# Altium PCB PCB_main_single_side_STACK.PcbDoc (continued)
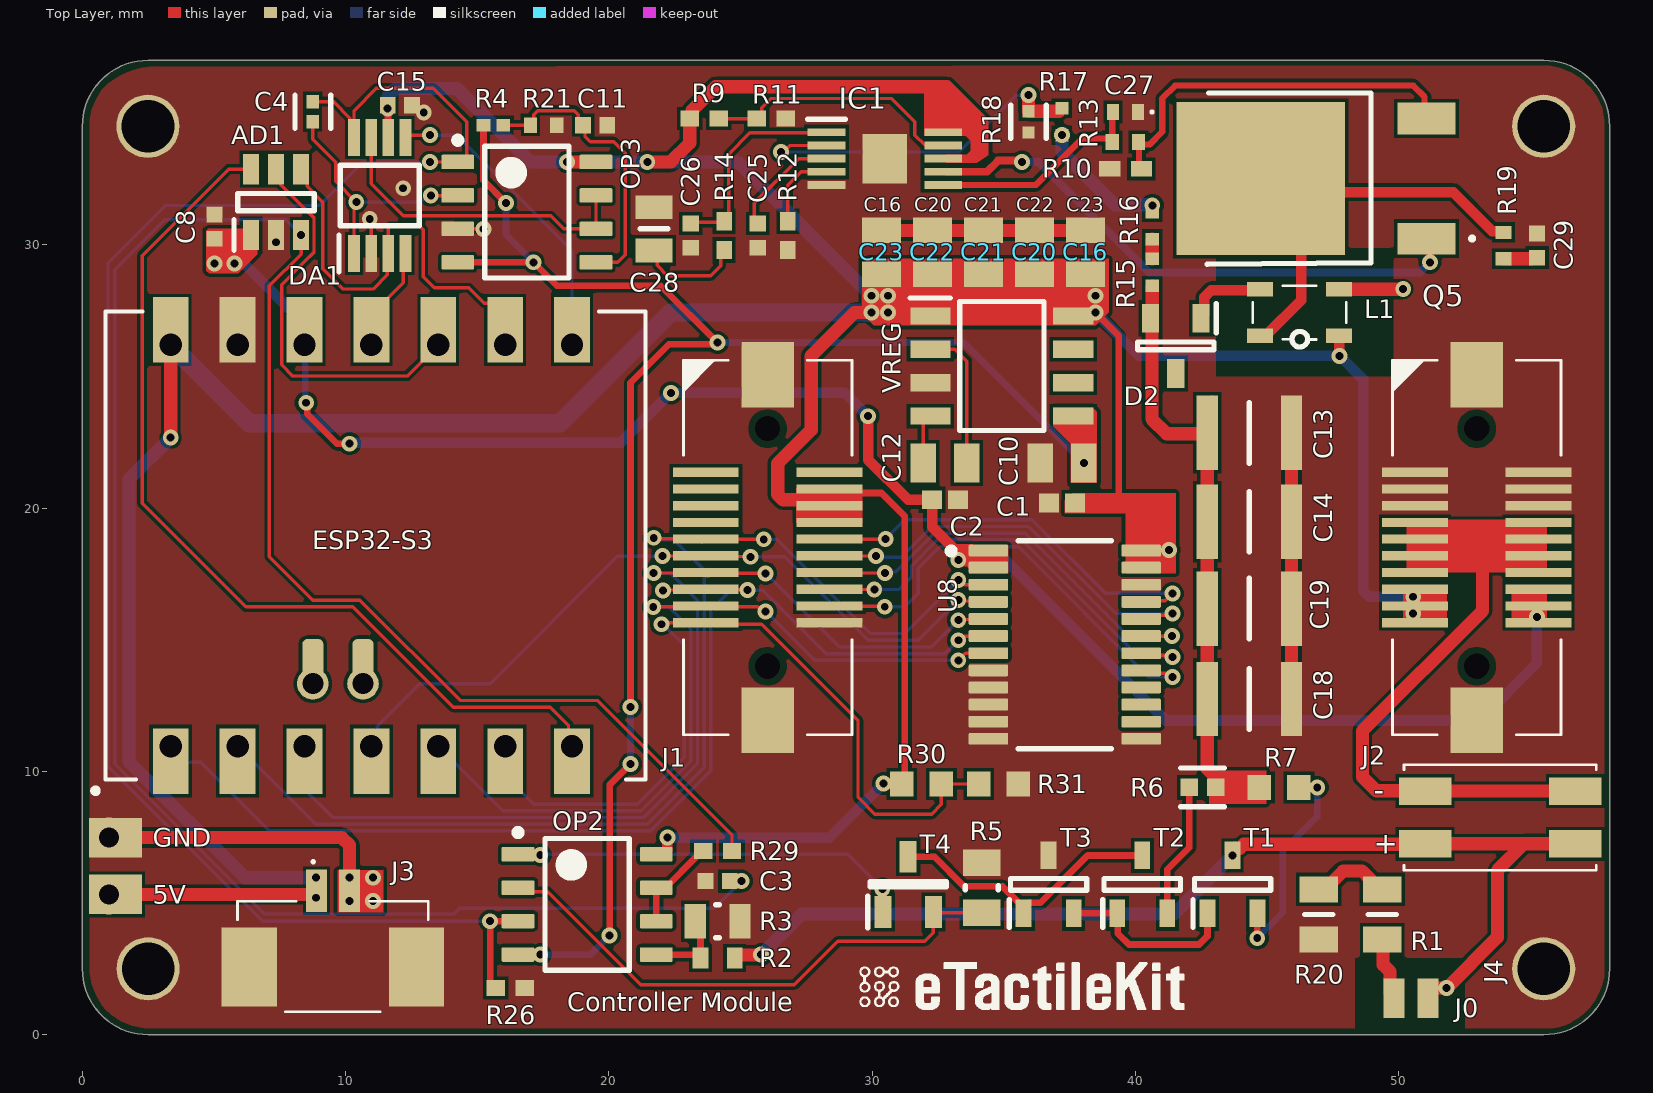
[diagram p0: Top Layer view]
## Part data
AD1: "Integrated Circuit", Manufacturer_Name="Analog Devices", Mouser Part Number=584-AD7276AUJZ-R7, Arrow Part Number=AD7276AUJZ-REEL7, Arrow Price/Stock=https://www.arrow.com/en/products/ad7276aujz-reel7/analog-devices, Datasheet Link=http://componentsearchengine.com/Datasheets/1/AD7276AUJZ-REEL7.pdf, Height=1mm, Manufacturer_Part_Number=AD7276AUJZ-REEL7, Mouser Price/Stock=https://www.mouser.co.uk/ProductDetail/Analog-Devices/AD7276AUJZ-REEL7?qs=NmRFExCfTkGcJMyUALbIIQ%3D%3D
C1 C2: library part CMP-2000-05439-1, "Chip Capacitor, 100 nF, +/- 10%, 16 V, -55 to 125 degC, 0402 (1005 Metric), RoHS, Tape and Reel", Capacitance=100000pF, Case Size/Dimension=0402, Dielectric=X7R, Manufacturer="Samsung Electro-Mechanics", Rated Voltage=16V, Tolerance (%)=±10%, Datasheet URL=https://datasheet.ciiva.com/29198/458718-da-01-en-vs-kondensator-0402-29198423.pdf, Datasheet Version=Nov-10, Manufacturer URL=http://www.samsungsem.com/global/index.jsp
C3: "Capacitor", Manufacturer_Name="Murata Electronics", Mouser Part Number=N/A, Datasheet Link=https://search.murata.co.jp/Ceramy/image/img/A01X/G101/ENG/GRM1552C1H102JA01-01A.pdf, Height=0.7mm, Manufacturer_Part_Number=GRM1552C1H102JA01D, Mouser Price/Stock=https://www.mouser.co.uk/ProductDetail/Murata-Electronics/GRM1552C1H102JA01D?qs=UOvNgVTuGCqGiG7fJ8%252BtBQ%3D%3D
C4: library part CMP-2008-03830-2, "Multi-Layer Ceramic Capacitor 2pF C0G  ±0.1pF 0402 Paper T/R", Capacitance=2pF, Case Code (Imperial)=0402, Case Code (Metric)=1005, Dielectric=C0G, Max Operating Temperature=125°C, Min Operating Temperature=-55°C, Package Quantity=1, Voltage Rating=50V, Case/Package=0402, Depth=0.5mm, Height=0.5mm, Lead Free="Lead Free", Lead Pitch=0.3mm, Length=1mm, Mount="Surface Mount", Number of Pins=2, Packaging="Tape and Reel", Radiation Hardening=No, REACH SVHC="No SVHC", Termination=SMD/SMT, Thickness=0.022inch, Voltage Rating (DC)=50V, Width=0.5mm
C8 C11 C15 C25: "Capacitor", Manufacturer_Name=SAMSUNG, Mouser Part Number=187-CL05B104KO5NNNC, Arrow Part Number=CL05B104KO5NNNC, Arrow Price/Stock=https://www.arrow.com/en/products/cl05b104ko5nnnc/samsung-electro-mechanics?utm_currency=USD&region=europe, Datasheet Link=https://datasheet.datasheetarchive.com/originals/distributors/Datasheets-DGA10/2408147.pdf, Height=0.55mm, Manufacturer_Part_Number=CL05B104KO5NNNC, Mouser Price/Stock=https://www.mouser.co.uk/ProductDetail/Samsung-Electro-Mechanics/CL05B104KO5NNNC?qs=hqM3L16%252BxlfT2SKOuAUq6Q%3D%3D
C10 C12 C16 C20 C21 C22 C23: "Capacitor", Manufacturer_Name="Murata Electronics", Mouser Part Number=81-GRM21BR61A476ME5L, Arrow Part Number=GRM21BR61A476ME15L, Arrow Price/Stock=https://www.arrow.com/en/products/grm21br61a476me15l/murata-manufacturing?utm_currency=USD&region=nac, Datasheet Link=https://search.murata.co.jp/Ceramy/image/img/A01X/G101/ENG/GRM21BR61A476ME15-01A.pdf, Height=1.45mm, Manufacturer_Part_Number=GRM21BR61A476ME15L, Mouser Price/Stock=https://www.mouser.co.uk/ProductDetail/Murata-Electronics/GRM21BR61A476ME15L?qs=hNud%2FORuBR2%2FEB7WUpdltg%3D%3D
C13 C14 C18 C19: library part C3225X7R2J683K200AA, "Capacitor", Manufacturer_Name=TDK, Mouser Part Number=810-C3225X7R2J683K, Arrow Part Number=C3225X7R2J683K200AA, Arrow Price/Stock=https://www.arrow.com/en/products/c3225x7r2j683k200aa/tdk?region=nac, Datasheet Link=https://product.tdk.com/info/en/catalog/datasheets/mlcc_commercial_midvoltage_en.pdf, Height=2mm, Manufacturer_Part_Number=C3225X7R2J683K200AA, Mouser Price/Stock=https://www.mouser.com/Search/Refine.aspx?Keyword=810-C3225X7R2J683K
C26: "Capacitor", Manufacturer_Name="Guangdong Fenghua Advanced Tech", Datasheet Link=https://datasheet.lcsc.com/szlcsc/Guangdong-Fenghua-Advanced-Tech-0402CG101J500NT_C1546.pdf, Height=0.55mm, Manufacturer_Part_Number=0402CG101J500NT
C27: "Capacitor", Manufacturer_Name="Murata Electronics", Mouser Part Number=81-GRM155R71H103KA8D, Arrow Part Number=GRM155R71H103KA88D, Arrow Price/Stock=https://www.arrow.com/en/products/grm155r71h103ka88d/murata-manufacturing?utm_currency=USD&region=nac, Datasheet Link=https://search.murata.co.jp/Ceramy/image/img/A01X/G101/ENG/GRM155R71H103KA88-01A.pdf, Height=0.33mm, Manufacturer_Part_Number=GRM155R71H103KA88D, Mouser Price/Stock=https://www.mouser.co.uk/ProductDetail/Murata-Electronics/GRM155R71H103KA88D?qs=Dfh4SrgScWxOVlCuzd3ZyQ%3D%3D
C28: "Capacitor", Manufacturer_Name=SAMSUNG, Mouser Part Number=187-CL21B223KBANNNC, Arrow Part Number=CL21B223KBANNNC, Arrow Price/Stock=https://www.arrow.com/en/products/cl21b223kbannnc/samsung-electro-mechanics?utm_currency=USD&region=europe, Datasheet Link=https://datasheet.datasheetarchive.com/originals/distributors/Datasheets_SAMA/f1186cf82a02fbe5c02a084f1b7bc7a5.pdf, Height=0.75mm, Manufacturer_Part_Number=CL21B223KBANNNC, Mouser Price/Stock=https://www.mouser.co.uk/ProductDetail/Samsung-Electro-Mechanics/CL21B223KBANNNC?qs=349EhDEZ59o8NyW%2FjkRQDg%3D%3D
C29: "Capacitor", Manufacturer_Name="Murata Electronics", Mouser Part Number=81-GRM1555C1H221JA01, Arrow Part Number=GRM1555C1H221JA01D, Arrow Price/Stock=https://www.arrow.com/en/products/grm1555c1h221ja01d/murata-manufacturing, Datasheet Link=https://search.murata.co.jp/Ceramy/image/img/A01X/G101/ENG/GRM1555C1H221JA01-01A.pdf, Height=0.7mm, Manufacturer_Part_Number=GRM1555C1H221JA01D, Mouser Price/Stock=https://www.mouser.co.uk/ProductDetail/Murata-Electronics/GRM1555C1H221JA01D?qs=AflYu6BMgmkFaPorbrBIOQ%3D%3D
D2: "Diode", Manufacturer_Name="Diodes Incorporated", Mouser Part Number=621-MMBD3004S-F, Arrow Part Number=MMBD3004S-7-F, Arrow Price/Stock=https://www.arrow.com/en/products/mmbd3004s-7-f/diodes-incorporated, Datasheet Link=http://www.farnell.com/datasheets/1911713.pdf, Height=1mm, Manufacturer_Part_Number=MMBD3004S-7-F, Mouser Price/Stock=https://www.mouser.co.uk/ProductDetail/Diodes-Incorporated/MMBD3004S-7-F?qs=wlBvdarPgLYI%252BR4SoNTV%2Fg%3D%3D
DA1: "Integrated Circuit", Manufacturer_Name="Analog Devices", Mouser Part Number=584-AD5452YRMZ-R7, Arrow Part Number=AD5452YRMZ-REEL7, Arrow Price/Stock=https://www.arrow.com/en/products/ad5452yrmz-reel7/analog-devices?region=nac, Datasheet Link=https://componentsearchengine.com/Datasheets/1/AD5452YRMZ-REEL7.pdf, Height=1.1mm, Manufacturer_Part_Number=AD5452YRMZ-REEL7, Mouser Price/Stock=https://www.mouser.co.uk/ProductDetail/Analog-Devices/AD5452YRMZ-REEL7?qs=NmRFExCfTkHoityukWLALQ%3D%3D
ESP32-S3 J0: library part Component_1
IC1: library part LT3757EMSETRPBF, "Integrated Circuit", Manufacturer_Name="Analog Devices", Height=1.1mm, Manufacturer_Part_Number=LT3757EMSETRPBF
J1 J2: "Connector", Manufacturer_Name=Molex, Mouser Part Number=538-52885-0274, Datasheet Link=https://www.molex.com/webdocs/datasheets/pdf/en-us/0528850274_PCB_RECEPTACLES.pdf, Height=4mm, Manufacturer_Part_Number=52885-0274, Mouser Price/Stock=https://www.mouser.co.uk/ProductDetail/Molex/52885-0274?qs=%252BPJ3Ll1xQNYiQig4hWY5jQ%3D%3D
J3: library part 53261-0271, "C177225", Manufacturer_Name=Molex, Mouser Part Number=538-53261-0271, Arrow Part Number=53261-0271, Arrow Price/Stock=https://www.arrow.com/en/products/53261-0271/molex?region=nac, Datasheet Link=https://www.molex.com/pdm_docs/sd/532610271_sd.pdf, Height=3.65mm, Manufacturer_Part_Number=53261-0271, Mouser Price/Stock=https://www.mouser.co.uk/ProductDetail/Molex/53261-0271?qs=%252B72YyncTwW%252B8%252BBjraxGf3A%3D%3D
J4: "Connector"
OP2 OP3: library part CMP-0015-00084-2, "Dual Low-Noise JFET-Input General-Purpose Operational Amplifier, 7 to 36 V, -40 to 85 degC, 8-pin SOIC (D8), Green (RoHS & no Sb/Br)", Manufacturer="Texas Instruments", Rating=Catalog, Total Supply Voltage(Max)(+5V is 5, +/-5V is 10)=36, Total Supply Voltage(Min)(+5V is 5, +/-5V is 10)=7, CMRR(Min)(dB)=75, Code_JEDEC=MS-012, ComponentLink1Description="Manufacturer URL", ComponentLink1URL=http://www.ti.com/, ComponentLink2Description=Datasheet, ComponentLink2URL=http://www.ti.com/lit/ds/symlink/tl072.pdf, ComponentLink3Description="Package Specification", ComponentLink3URL=http://www.ti.com/litv/pdf/msoi002j, DatasheetVersion=SLOS080J, Eco-Plan="Green (RoHS & no Sb/Br)", GBW(Typ)(MHz)=3, IIB(Max)(pA)=200, Iq per channel(Max)(mA)=2.5, Mounting Technology="Surface Mount", Number of Channels=2, Offset Drift(Typ)(uV/C)=18, PackageDescription="8-Pin Plastic Small Outline, Body 4.9 x 3.9 mm, Pitch 1.27 mm", PackageReference=D0008A, PackageVersion="4040047-3/M, 06/2011", PartNumber=TL072IDR, Slew Rate(Typ)(V/us)=13, Sub Family="General Purpose Amplifier, High Supply Voltage Amplifier (>=30V)", Vio (25C)(Max)(mV)=6, Vn at 1kHz(Typ)(nV/rtHz)=18
Q5: library part IPD25N06S4L30ATMA2, "60V 25A 30mΩ@10V 2.5V 1PCSNChannel TO252-2L MOSFETs ROHS", Arrow Part Number=25N06, Manufacturer_Name=Infineon, Arrow Price/Stock=https://www.arrow.com/en/products/ipd25n06s4l30atma2/infineon-technologies-ag?region=nac, Datasheet Link=https://www.infineon.com/dgdl/Infineon-IPD25N06S4L-30-DS-v01_01-EN.pdf?fileId=db3a30431ff98815012038898f7b0caa, Height=2.5mm, Manufacturer_Part_Number=25N06, Mouser Part Number=IPD25N06S4L30ATMA2, Mouser Price/Stock=https://www.mouser.co.uk/ProductDetail/Infineon-Technologies/IPD25N06S4L30ATMA2?qs=OwbwYO03UsKv1XP00b%252BqYQ%3D%3D
R1 R7 R20: "Resistor", Manufacturer_Name="UNI-ROYAL(Uniroyal Elec)"
  R1 R20: Datasheet Link=https://datasheet.lcsc.com/lcsc/2110251830_UNI-ROYAL-Uniroyal-Elec-0805W8F3302T5E_C17633.pdf, Height=0.65mm, Manufacturer_Part_Number=0805W8F3302T5E
  R7: Datasheet Link=https://datasheet.lcsc.com/szlcsc/Uniroyal-Elec-0603WAF1001T5E_C21190.pdf, Height=0.55mm, Manufacturer_Part_Number=0603WAF1001T5E
R2: library part CMP-1659-00056-1, "Chip Resistor, 1 MOhm, +/- 1%, 100 mW, -55 to 155 degC, 0603 (1608 Metric), RoHS, Tape and Reel", Capacitance="1 mF", Case\Package=Radial, Max Operating Temperature="85 degC", Min Operating Temperature="-40 degC", Package Quantity=200, Tolerance=20%, Voltage Rating="25 V", ComponentLink1Description="Manufacturer URL", ComponentLink1URL=http://www.yageo.com/, ComponentLink2Description=Datasheet, ComponentLink2URL=http://www.yageo.com/documents/recent/PYu-RC_Group_51_RoHS_L_04.pdf, DatasheetVersion="Rev. 4, 02/2016", Diameter="10 mm", Height="20 mm", Lead Pitch="5 mm", Length="20 mm", Mount="Through Hole", PackageDescription="2-Pin Surface Mount Device, Body 1.6 x 0.8 mm", PackageReference=0603, Packaging=Bulk, Radiation Hardening=No, REACH SVHC="No SVHC", RoHSCompliant=true, Voltage Rating (DC)="25 V", Width="0 inch"
R3: library part CMP-2001-04176-2, "RES Thick Film, 9.1kΩ, 1%, 0.125W, 100ppm/°C, 0805", Case Code (Imperial)=0805, Case Code (Metric)=2012, Max Operating Temperature=155°C, Max Power Dissipation=125mW, Min Operating Temperature=-55°C, Package Quantity=10, Resistance=9.1kR, Temperature Coefficient=100ppm/°C, Tolerance=1%, Voltage Rating=150V, Case/Package=0805, Composition="Thick Film", Contact Plating=Tin, Depth=1.25mm, Features="Automotive AEC-Q200", Height=0.45mm, Lead Free="Lead Free", Length=2mm, Military Standard=Not, Number of Terminations=2, Packaging="Tape and Reel", Power Rating=125mW, Radiation Hardening=No, Termination=SMD/SMT, Voltage Rating (DC)=150V, Weight=0.000194oz, Width=0.049inch
R4: library part CMP-2002-07378-2, "RES SMD 12K OHM 1% 1/16W 0402", Case Code (Imperial)=0402, Case Code (Metric)=1005, Max Operating Temperature=155°C, Max Power Dissipation=63mW, Min Operating Temperature=-55°C, Package Quantity=1, Power Rating=62.5mW, Resistance=12kR, Resistance Tolerance=1%, Resistor Type="Thick Film", Temperature Coefficient=100ppm/°C, Voltage Rating=50V, Case/Package=0402, Construction=Rectangular, Depth=0.5mm, Features="Moisture Resistant", Height=0.016inch, Lead Free="Lead Free", Length=1mm, Military Standard=Not, Number of Terminations=2, Packaging="Tape and Reel", REACH SVHC="No SVHC", RoHS Compliant=Yes, Series=RC, Size Code=0402, Termination=SMD/SMT, Tolerance=1%, Weight=2.3E-05oz, Width=0.02inch
R5: library part CMP-2001-03760-2, "RES Thick Film, 2.2kΩ, 1%, 0.125W, 100ppm/°C, 0805", Case Code (Imperial)=0805, Case Code (Metric)=2012, Max Operating Temperature=155°C, Max Power Dissipation=125mW, Min Operating Temperature=-55°C, Package Quantity=10, Resistance=2.2kR, Temperature Coefficient=100ppm/°C, Tolerance=1%, Voltage Rating=150V, Case/Package=0805, Composition="Thick Film", Contact Plating=Tin, Depth=1.25mm, Features="Automotive AEC-Q200", Height=0.45mm, Lead Free="Lead Free", Length=2mm, Military Standard=Not, Number of Terminations=2, Packaging="Tape and Reel", Power Rating=125mW, Radiation Hardening=No, Termination=SMD/SMT, Voltage Rating (DC)=150V, Weight=0.000194oz, Width=1.25mm
R6: library part CMP-2002-08431-2, "RES Thick Film, 27kΩ, 1%, 0.063W, 100ppm/°C, 0402", Case Code (Imperial)=0402, Case Code (Metric)=1005, Max Operating Temperature=155°C, Max Power Dissipation=63mW, Min Operating Temperature=-55°C, Package Quantity=10, Resistance=27kR, Temperature Coefficient=100ppm/°C, Tolerance=1%, Voltage Rating=50V, Case/Package=0402, Composition="Thick Film", Contact Plating=Tin, Depth=0.5mm, Features="Automotive AEC-Q200", Height=0.35mm, Lead Free="Lead Free", Length=1mm, Military Standard=Not, Mount="Surface Mount", Number of Pins=2, Number of Terminations=2, Packaging="Tape and Reel", Power Rating=63mW, Radiation Hardening=No, Termination=SMD/SMT, Voltage Rating (DC)=50V, Weight=2.3E-05oz, Width=0.02inch
R9: "Resistor", Manufacturer_Name="KOA Speer", Mouser Part Number=660-RK73H1ETTP1003F, Arrow Part Number=RK73H1ETTP1003F, Arrow Price/Stock=https://www.arrow.com/en/products/rk73h1ettp1003f/koa-speer-electronics?region=nac, Datasheet Link=http://www.koaspeer.com/catimages/Products/RK73-RT/RK73-RT.pdf, Height=0.4mm, Manufacturer_Part_Number=RK73H1ETTP1003F, Mouser Price/Stock=https://www.mouser.co.uk/ProductDetail/KOA-Speer/RK73H1ETTP1003F?qs=b1MjUb3%252BcaVl%2FZYcKgjmuQ%3D%3D
R10: library part CMP-03412-023933-1, "METAL CURRENT SENSOR 0402 1% 150", Manufacturer=Yageo, Package=PA0402, Power Rating=0.167W, Resistance=20mΩ, Temperature="-55°C to +125°C", Temperature Coefficient=150ppm/°C, Temperature Range High=+125°C, Temperature Range Low=-55°C, Tolerance=1%, Automotive=No, Category=Res, ComponentLink2Description=Datasheet, ComponentLink2URL=http://www.yageo.com/documents/recent/PYu-PA0402_L_51_RoHS_0.pdf, Composition="Metal Element", Device Class L1="Passive Components", Device Class L2=Resistors, Device Class L3="Chip SMD Resistors", Digikey Description="METAL CURRENT SENSOR 0402 1% 150", Height=0.4mm, Ipc Land Pattern Name=RESC10055X40, Lead Free=Yes, Manufacturer Part Number=RTT03R020FTP, Octopart=https://octopart.com/pa0402frl7t0r02l-yageo-86729964, RoHS=TRUE, Series=PA0402
R11: "Resistor", Manufacturer_Name="KOA Speer", Mouser Part Number=660-RK73H1ETTP4702F, Arrow Part Number=RK73H1ETTP4702F, Arrow Price/Stock=https://www.arrow.com/en/products/rk73h1ettp4702f/koa-speer-electronics, Datasheet Link=http://www.koaspeer.com/catimages/Products/RK73-RT/RK73-RT.pdf, Height=0.4mm, Manufacturer_Part_Number=RK73H1ETTP4702F, Mouser Price/Stock=https://www.mouser.co.uk/ProductDetail/KOA-Speer/RK73H1ETTP4702F?qs=VhCg8p3QXBbdph5DclKeLw%3D%3D
R12: "Resistor", Manufacturer_Name="KOA Speer", Mouser Part Number=660-RK73H1ETTP1303F, Datasheet Link=http://www.koaspeer.com/catimages/Products/RK73-RT/RK73-RT.pdf, Height=0.4mm, Manufacturer_Part_Number=RK73H1ETTP1303F, Mouser Price/Stock=https://www.mouser.co.uk/ProductDetail/KOA-Speer/RK73H1ETTP1303F?qs=nWTjSGqwIiQKngPNRzbM%2FA%3D%3D
R13 R19: library part CMP-2002-07520-2, Case Code (Imperial)=0402, Max Operating Temperature=155°C, Min Operating Temperature=-55°C, Power Rating=63mW, Resistance=22Ω, Temperature Coefficient=100ppm/°C, Tolerance=1%, Voltage Rating=50V, Case/Package=0402, Composition="Thick Film", Depth=500µm, Height=400µm, Lead Free="Lead Free", Length=1mm, Military Standard=Not, Number of Pins=2, Packaging="Tape & Reel", REACH SVHC=Unknown, RoHS=Compliant, Schedule B="8533210045, 8533210045", Termination=SMD/SMT, Voltage Rating (AC)=50V, Voltage Rating (DC)=50V, Width=500µm
R14: "Resistor", Manufacturer_Name="KOA Speer", Mouser Part Number=660-RK73H1ETTP6801F, Arrow Part Number=RK73H1ETTP6801F, Arrow Price/Stock=https://www.arrow.com/en/products/rk73h1ettp6801f/koa-speer-electronics, Datasheet Link=http://www.koaspeer.com/catimages/Products/RK73-RT/RK73-RT.pdf, Height=0.4mm, Manufacturer_Part_Number=RK73H1ETTP6801F, Mouser Price/Stock=https://www.mouser.com/Search/Refine.aspx?Keyword=660-RK73H1ETTP6801F
R15 R16 R17: "Resistor", Manufacturer_Name=Panasonic, Datasheet Link=https://industrial.panasonic.com/cdbs/www-data/pdf/RDP0000/AOA0000C334.pdf, Height=0.4mm, Manufacturer_Part_Number=ERJU02F1004X
R18: library part CMP-1011-00644-3, "RES Thick Film, 16kΩ, 1%, 0.063W, 100ppm/°C, 0402", Case Code (Imperial)=0402, Case Code (Metric)=1005, Max Operating Temperature=155°C, Max Power Dissipation=63mW, Min Operating Temperature=-55°C, Package Quantity=10, Resistance=16kR, Temperature Coefficient=100ppm/°C, Tolerance=1%, Voltage Rating=50V, Case/Package=0402, Composition="Thick Film", Contact Plating=Tin, Depth=0.5mm, Features="Automotive AEC-Q200", Height=0.35mm, Lead Free="Lead Free", Length=1mm, Military Standard=Not, Mount="Surface Mount", Number of Pins=2, Number of Terminations=2, Packaging="Tape and Reel", Power Rating=63mW, Radiation Hardening=No, Termination=SMD/SMT, Voltage Rating (DC)=50V, Weight=2.3E-05oz, Width=0.02inch
R21: library part CMP-03412-008661-1, "RES SMD 12K OHM 1% 1/16W 0402", Manufacturer=Yageo, Package=RT0402, Power Rating=0.063W, Resistance=24KΩ, Temperature="-55°C to +155°C", Temperature Coefficient="50 ppm/°C", Temperature Range High=+155°C, Temperature Range Low=-55°C, Tolerance=0.01, Voltage Rating=50V, Automotive=No, Category=Res, ComponentLink2Description=Datasheet, ComponentLink2URL=http://www.yageo.com/documents/recent/PYu-RT_1-to-0.01_RoHS_L_9.pdf, Composition="Thin Film", Device Class L1="Passive Components", Device Class L2=Resistors, Device Class L3="Chip SMD Resistors", Digikey Description="RES SMD 14K OHM 1% 1/16W 0402", Footprint Url=http://www.yageo.com/exep/pages/download/literatures/PYu-R_Mount_10.pdf, Height=0.35mm, Ipc Land Pattern Name=RESC10050X30, Lead Free=Yes, Manufacturer Part Number=HPCR0402F24K0K9, Octopart=https://octopart.com/rt0402fre0714kl-yageo-1378200, RoHS=TRUE, Series=RT
R26: "Resistor", Manufacturer_Name=Vishay, Mouser Part Number=594-MCS04020C1002FE0, Arrow Part Number=MCS04020C1002FE000, Arrow Price/Stock=https://www.arrow.com/en/products/mcs04020c1002fe000/vishay?utm_currency=USD&region=nac, Datasheet Link=http://www.vishay.com/docs/28705/mcx0x0xpro.pdf, Height=0.37mm, Manufacturer_Part_Number=MCS04020C1002FE000, Mouser Price/Stock=https://www.mouser.co.uk/ProductDetail/Vishay-Beyschlag/MCS04020C1002FE000?qs=7ZE6F4QMOBZ3EZwk%252BYP9Dg%3D%3D
R29: "Resistor", Manufacturer_Name="KOA Speer", Mouser Part Number=660-RK73H1ETTP1000F, Arrow Part Number=RK73H1ETTP1000F, Arrow Price/Stock=https://www.arrow.com/en/products/rk73h1ettp1000f/koa-speer-electronics?region=nac, Datasheet Link=http://www.koaspeer.com/catimages/Products/RK73-RT/RK73-RT.pdf, Height=0.4mm, Manufacturer_Part_Number=RK73H1ETTP1000F, Mouser Price/Stock=https://www.mouser.co.uk/ProductDetail/KOA-Speer/RK73H1ETTP1000F?qs=VhCg8p3QXBZstDOVIJ3D7A%3D%3D
R30: "Resistor", Manufacturer_Name=YAGEO, Mouser Part Number=603-RT0603BRD0740KL, Arrow Part Number=RT0603BRD0740KL, Arrow Price/Stock=https://www.arrow.com/en/products/rt0603brd0740kl/yageo?region=nac, Datasheet Link=https://www.yageo.com/upload/media/product/app/datasheet/rchip/pyu-rt_1-to-0.01_rohs_l.pdf, Height=0.55mm, Manufacturer_Part_Number=RT0603BRD0740KL, Mouser Price/Stock=https://www.mouser.co.uk/ProductDetail/YAGEO/RT0603BRD0740KL?qs=gt1LBUVyoHlX7zH8R4KgIw%3D%3D
R31: library part MCT06030C6042FP500, "Resistor", Manufacturer_Name=Vishay, Datasheet Link=http://www.vishay.com/docs/28705/mcx0x0xpro.pdf, Height=0.55mm, Manufacturer_Part_Number=0603WAF6042T5E, Mouser Part Number=0603WAF6042T5E
T1 T2 T3: "Transistor BJT PNP", Manufacturer_Name=Nexperia, Mouser Part Number=771-PBHV9040TVL, Datasheet Link=https://assets.nexperia.com/documents/data-sheet/PBHV9040T.pdf, Height=1.1mm, Manufacturer_Part_Number=PBHV9040TVL, Mouser Price/Stock=https://www.mouser.co.uk/ProductDetail/Nexperia/PBHV9040TVL?qs=PqoDHHvF64%252B9n13F%2FsjH6g%3D%3D
T4: "MOSFET (N-Channel)", Manufacturer_Name="Diodes Incorporated", Mouser Part Number=621-DMN60H080DS-13, Arrow Part Number=DMN60H080DS-13, Arrow Price/Stock=https://www.arrow.com/en/products/dmn60h080ds-13/diodes-incorporated, Datasheet Link=https://www.diodes.com//assets/Datasheets/DMN60H080DS.pdf, Height=1.1mm, Manufacturer_Part_Number=DMN60H080DS-13, Mouser Price/Stock=https://www.mouser.co.uk/ProductDetail/Diodes-Incorporated/DMN60H080DS-13?qs=HXFqYaX1Q2wO6tm1AgR7Fw%3D%3D
U8: library part CMP-04899-000027-1, "IC TRNSLTR BIDIRECTIONAL 24TSSOP", Ambient Temperature Range High=+85°C, Ambient Temperature Range Low=-40°C, Manufacturer="Texas Instruments", Max Supply Voltage=5.5V, Min Supply Voltage=1.65V, Nominal Supply Current=25uA, Package=PW0024A, Temperature="-40°C to +85°C", Automotive=No, Category=IC, ComponentLink2Description=Datasheet, ComponentLink2URL=http://www.ti.com/lit/ds/symlink/sn74lvc8t245.pdf, Device Class L1="Integrated Circuits (ICs)", Device Class L2="Logic ICs", Device Class L3="Voltage Level Shifters", Digikey Description="IC TRNSLTR BIDIRECTIONAL 24TSSOP", Height=1.2mm, Ipc Land Pattern Name=SOP65P640X120-24, Lead Free=Yes, Logic Function Desc=Non-Inverting, Manufacturer Part Number=SN74LVC8T245PWR, Mouser Description="Translation - Voltage Levels 8-Bit Dual-Supply Bus Xcvr", Number Of Circuits=1, Number Of Inputs=8, Number Of Outputs=8, Octopart=https://octopart.com/sn74lvc8t245pwr-texas+instruments-517164, Propagation Delay=4.3ns, RoHS=TRUE, Standoff Height=0.05mm, Temperature Range High=+85°C, Temperature Range Low=-40°C, V A Max=5.5V, V A Min=1.65V, V B Max=5.5V, V B Min=1.65V
VREG: "Integrated Circuit", Manufacturer_Name="Analog Devices", Mouser Part Number=584-LTC1144IS8#PBF, Arrow Part Number=LTC1144IS8#PBF, Arrow Price/Stock=https://www.arrow.com/en/products/ltc1144is8pbf/analog-devices?utm_currency=USD&region=europe, Datasheet Link=http://cds.linear.com/docs/en/datasheet/1144fa.pdf, Height=1.752mm, Manufacturer_Part_Number=LTC1144IS8#PBF, Mouser Price/Stock=https://www.mouser.co.uk/ProductDetail/Analog-Devices/LTC1144IS8PBF?qs=hVkxg5c3xu%2FkbkSDzzDboA%3D%3D

## Free pads (board coordinates)
  round 2.4 hole 2: 2(55.5,2.508) 3(55.5,34.5) 4(2.5,34.5) 5(2.508,2.508)
  rect 2x1.5 smd: 8(1.27,5.334) 8(1.27,7.493)
  round 1.524 hole 0.762: 9(1.016,7.493) 10(1.016,5.334)
  round 1.2 hole 0.8: 11(8.763,13.335) 12(10.668,13.335)

## Via types
v1: diameter 0.6, hole 0.3, Top Layer to Bottom Layer, tented both sides, 90 vias

## Nets (pads, with @x,y where several pads share a name; then routed paths per layer and width w, separated by ;. In a path a pad name is that pad's centre, name@x,y a point inside that pad or via, vN(x,y) a via of type N, cw(c..) or ccw(c..) an arc to the next point about the centre after c; other vN are vias at no path point)
+3V3: AD1.1 C2.2 C8.2 ESP32-S3.12 J2.16 J2.18 J2.20 U8.1 U8.2 | length 65.5
  Top Layer w0.254: v1(8.509,24.003) 8.546,23.966 8.546,23.585 9.682,22.449 v1(10.16,22.449) ; U8.2@34.407,17.753 U8.2@34.417,17.763
  Top Layer w0.4: v1(29.845,23.495) 29.845,21.844 31.369,20.32 C2.2 32.276,19.286 33.128,18.434 U8.1@33.78,18.434
  Bottom Layer w0.254: ESP32-S3.12@8.445,26.203 8.477,26.171 8.477,24.035 v1(8.509,24.003)
  Bottom Layer w0.4: v1(5.031,29.294) v1(5.793,29.294) 5.831,29.256 6.177,29.256 8.333,27.1 8.333,26.315 ESP32-S3.12@8.445,26.203 ; v1(10.16,22.449) 10.19,22.479 20.447,22.479 22.341,24.373 v1(22.363,24.373) ; v1@22.363,24.384 28.956,24.384 v1(29.845,23.495) ; v1(33.274,18.034) 35.052,18.034 41.148,11.938 53.064,11.938 55.245,14.119 v1(55.245,15.875)
+5V: C1.1 C15.2 C16.2 C20.2 C21.2 C22.2 C23.2 DA1.6 ESP32-S3.14 IC1.8 IC1.10 J1.4 J1.6 J1.8 J2.15 J2.17 J2.19 J3.1 L1.4 OP2.8 OP3.8 pad.8@1.27,5.334 pad.10 R9.2 R30.2 U8.23 U8.24 VREG.1 VREG.8 | length 178.6
  Top Layer w0.254: v1(11.605,35.179) 11.617,35.167 11.617,33.707 DA1.6@11.628,33.696 ; J1.4@28.385,20.575 30.352,20.575 31.242,19.685 31.242,9.64 R30.2 31.11,9.541 v1(30.427,9.541) ; v1(38.481,27.432) 39.37,26.543 39.37,20.32 v1(41.275,18.415)
  Top Layer w0.4: OP2.8 22.077,6.858 22.225,7.006 v1(22.225,7.493) ; L1.4 47.74,26.545 47.74,25.793 v1(47.752,25.781)
  Top Layer w0.5: pad.10 8.763,5.334 v1(8.89,5.207) ; v1(3.364,22.679) v1(3.364,22.679) ESP32-S3.14@3.365,26.203 ; v1(18.415,33.147) OP3.8 ; v1(21.463,33.147) 22.352,33.147 23.072,33.867 R9.2 ; R9.2@23.172,34.844 23.172,35.11 24.062,36 32.834,36 34.163,34.671 34.163,34.294 ; 27.615,20.45 27.485,20.32 26.615,20.32 26.416,20.519 26.416,21.703 27.686,22.973 27.686,25.781 29.337,27.432 v1(29.972,27.432) ; C23.2 C22.2 C21.2 C20.2 C16.2
  Bottom Layer w0.4: v1(22.225,7.493) 28.379,7.493 v1(30.427,9.541) ; v1(38.481,28.067) v1(38.481,27.432) 40.132,25.781 v1(47.752,25.781) 48.641,24.892 48.641,16.871 48.875,16.637 v1(50.546,16.637) v1(50.546,16.002)
  Bottom Layer w0.5: v1(3.364,22.679) 1.778,21.093 1.778,10.38 6.189,5.969 v1(8.89,5.969) ; v1(11.605,35.179) 11.621,35.195 11.621,35.648 11.914,35.941 14.224,35.941 17.018,33.147 v1(18.415,33.147) v1(21.463,33.147) 24.892,33.147 v1(29.972,28.067)
  Bottom Layer w0.7: ESP32-S3.14@3.365,26.203 6.343,23.226 18.146,23.226 22.352,27.432 v1(29.972,27.432)
  other v1: 30.607,27.432 30.607,28.067
+300V: C13.2 C14.2 C18.2 C19.2 D2.2 R6.2 R7.2 R15.2 | length 22.8
  Top Layer w0.5: R15.2 40.64,27.283 D2.2 40.626,27.155 40.626,23.382 41.179,22.829 42.723,22.829 C14.2 ; C18.2 42.723,10.109 43.714,9.118 ; C18.2@42.723,12.808 42.723,16.133 42.775,16.185 42.723,16.237 42.723,19.435 C14.2@42.775,19.487 ; C13.2 42.723,23.865 C13.2@42.878,24.02
-5: C10.2 OP2.4 OP3.4 R4.2 VREG.5 | length 64
  Top Layer w0.254: OP3.4 v1(17.145,29.337) 18.034,28.448 21.971,28.448 v1(24.13,26.289) 24.066,26.226 22.288,26.226 20.828,24.765 v1(20.828,12.446) ; R4.2 15.242,32.451 v1(16.1,31.594) ; OP2.4 v1(17.399,3.048) ; v1(20.032,3.776) 20.032,9.491 v1(20.828,10.287) ; VREG.5 37.843,23.495 38.041,23.297 v1(38.041,21.717)
  Bottom Layer w0.254: v1(16.1,31.594) 16.1,30.382 v1(17.145,29.337) ; v1(17.399,3.048) 19.304,3.048 v1(20.032,3.776) ; v1(20.828,10.287) v1(20.828,12.446) ; v1(24.13,26.289) 33.469,26.289 v1(38.041,21.717)
AD_CS: AD1.6 ESP32-S3.7 | length 35.4
  Top Layer w0.127: AD1.6 5.568,32.873 2.286,29.591 2.286,20.193 6.223,16.256 10.287,16.256 14.097,12.446 17.78,12.446 18.468,11.758 18.468,11.101 ESP32-S3.7@18.605,10.963
AD_MISO: AD1.5 ESP32-S3.10 | length 15.1
  Top Layer w0.127: AD1.5@7.153,33.086 AD1.5 ; AD1.5@7.301,32.533 8.084,31.749 8.807,31.027 8.807,29.719 8.424,29.337 7.576,28.489 7.576,25.445 8.002,25.019 12.341,25.019 ESP32-S3.10@13.525,26.203
ADIN: AD1.3 C3.2 R29.2 | length 89.2
  Top Layer w0.127: v1(8.316,30.373) 8.316,29.652 7.112,28.448 7.112,18.161 8.763,16.51 10.541,16.51 14.351,12.7 19.558,12.7 24.68,7.578 R29.2 ; C3.2 v1(25.04,5.842)
  Bottom Layer w0.127: v1(8.316,30.373) 7.741,30.948 3.135,30.948 1.237,29.05 1.237,10.298 6.946,4.59 14.115,4.59 14.333,4.808 24.007,4.808 v1(25.04,5.842)
BAT+: ESP32-S3.15 pad.12
BAT-: ESP32-S3.16 pad.11
BL: J1.16 U8.18 | length 17.2
  Top Layer w0.127: J1.16@28.385,16.856 28.442,16.912 v1(30.084,16.912) ; U8.18@40.238,14.534 40.35,14.422 41.331,14.422 v1(41.402,14.351)
  Bottom Layer w0.127: v1(30.084,16.912) 31.009,16.912 31.496,17.399 31.496,17.824 32.468,18.796 35.687,18.796 40.132,14.351 v1(41.402,14.351)
CLK: J1.12 U8.20 | length 16.3
  Top Layer w0.127: J1.12@28.244,18.139 28.289,18.184 v1(30.143,18.185) v1(30.143,18.185) ; U8.20@40.238,15.834 40.335,15.931 41.331,15.931 v1(41.402,16.002)
  Bottom Layer w0.127: v1(30.143,18.185) 30.184,18.143 31.097,18.143 32.258,19.304 35.941,19.304 39.243,16.002 v1(41.402,16.002)
DA_CS: DA1.5 ESP32-S3.8 | length 12.7
  Top Layer w0.127: DA1.5@12.278,33.874 12.278,34.006 12.44,34.168 v1(13.213,34.168) ; ESP32-S3.8@17.994,25.64 18.557,26.203 ESP32-S3.8@18.605,26.203
  Bottom Layer w0.127: v1(13.213,34.168) 14.219,34.168 18.578,29.809 ; ESP32-S3.8@18.605,26.203 18.605,29.781
DA_MOSI: DA1.4 ESP32-S3.11 | length 3.1
  Top Layer w0.127: ESP32-S3.11@10.986,26.774 10.986,27.345 12.192,28.551 12.192,29.21 DA1.4@12.278,29.296
DIN: J1.18 U8.17 | length 17.7
  Top Layer w0.127: J1.18@28.575,16.271 30.465,16.271 v1(30.48,16.256) ; U8.17@40.238,13.884 40.389,13.733 41.157,13.733 41.301,13.589 v1(41.402,13.589)
  Bottom Layer w0.127: v1(30.48,16.256) 31.242,16.256 31.75,16.764 31.75,17.718 32.574,18.542 35.56,18.542 40.513,13.589 v1(41.402,13.589)
FB: IC1.2 R17.1 R18.2 | length 14.2
  Top Layer w0.127: v1(26.543,33.528) 26.644,33.528 26.89,33.774 IC1.2@28.395,33.774
  Top Layer w0.5: v1(35.941,35.687) 35.935,35.681 R18.2 37.095,35.071 R17.1
  Bottom Layer w0.127: v1(26.543,33.528) 33.31,33.528 35.469,35.687 v1(35.941,35.687)
GATE: IC1.7 Q5.1 | length 21.4
  Top Layer w0.3: IC1.7@32.819,32.774 34.364,32.774 34.787,33.197 35.637,33.197 v1(35.687,33.147) ; Q5.1 51.181,30.111 v1(51.181,29.337)
  Bottom Layer w0.3: v1(35.687,33.147) 36.322,33.147 40.513,28.956 50.8,28.956 v1(51.181,29.337)
GND: AD1.2 C1.2 C2.1 C3.1 C8.1 C10.1 C11.1 C13.1 C14.1 C15.1 C16.1 C18.1 C19.1 C20.1 C21.1 C22.1 C23.1 C25.1 C26.1 C27.1 C28.1 C29.1 DA1.2 ESP32-S3.13 IC1.5 IC1.11 J1.20 J1.21 J1.22 J2.1 J2.2 J2.3 J2.4 J2.5 J2.6 J2.21 J2.22 J3.2 J3.MP1 J3.MP2 L1.3 OP3.3 pad.2 pad.3 pad.4 pad.5 pad.8@1.27,7.493 pad.9 R3.1 R5.1 R10.1 R11.1 R12.1 R18.1 R20.2 R21.1 R26.2 R31.1 T3.3 U8.8 U8.9 U8.10 U8.11 U8.12 U8.13 U8.22 VREG.3 | length 33.1
  Top Layer w0.127: v1(10.922,30.988) 10.978,30.988 DA1.2 ; OP3.3 v1(15.24,30.607)
  Top Layer w0.5: pad.9 9.867,7.493 10.16,7.2 v1(10.16,5.969) ; C23.1 C16.1 ; C18.1@45.923,13.264 C13.1@45.923,23.368 ; L1.3 47.735,28.314 50.158,28.314 v1(50.165,28.321)
  other v1: 10.16,5.08 11.049,5.08 11.049,5.969 7.366,30.099 12.192,32.149 12.975,35.027
HVL_BL: ESP32-S3.1 J1.15 U8.6 | length 44.2
  Top Layer w0.127: v1(22.061,16.877) 22.079,16.894 23.667,16.894 J1.15@23.685,16.912 ; J1.15@23.756,16.892 23.766,16.902 25.263,16.902 v1(25.273,16.892) ; v1(33.274,14.986) 33.364,14.986 33.521,15.143 U8.6
  Bottom Layer w0.127: ESP32-S3.1@3.365,10.963 3.981,10.348 4.514,10.348 7.114,7.747 21.59,7.747 23.876,10.033 23.876,16.129 24.639,16.892 v1(25.273,16.892) 25.284,16.881 25.85,16.881 28.253,14.478 32.766,14.478 v1(33.274,14.986)
HVL_CLK: ESP32-S3.4 J1.11 U8.4 | length 28.7
  Top Layer w0.127: v1(22.038,18.183) 23.685,18.183 23.7,18.168 25.367,18.168 v1(25.382,18.153) ; v1(33.274,16.51) 33.308,16.476 34.383,16.476 U8.4
  Bottom Layer w0.127: ESP32-S3.4@10.986,10.963 11.208,11.186 11.208,11.716 12.827,13.335 15.494,13.335 20.33,18.171 22.025,18.171 v1(22.038,18.183) ; v1(25.382,18.153) 26.678,18.153 29.845,14.986 31.75,14.986 v1(33.274,16.51)
HVL_DIOB: ESP32-S3.5 J1.17 U8.7 | length 31.9
  Top Layer w0.127: v1(21.689,16.252) 25.657,16.252 25.829,16.08 v1(25.957,16.08) ; v1(33.274,14.224) 33.543,14.493 U8.7
  Bottom Layer w0.127: ESP32-S3.5@13.525,10.963 15.98,8.509 21.231,8.509 23.114,10.392 23.114,15.416 22.277,16.252 v1(21.689,16.252) ; v1(25.957,16.08) 27.813,14.224 v1(33.274,14.224)
HVL_LE: ESP32-S3.2 J1.9 U8.3 | length 43.6
  Top Layer w0.127: v1(21.708,18.875) 21.737,18.846 23.416,18.846 J1.9@23.557,18.705 ; J1.9@24.848,18.835 24.865,18.818 v1@25.886,18.818 ; v1(33.274,17.272) 33.342,17.272 33.521,17.093 U8.3
  Bottom Layer w0.127: ESP32-S3.2@5.905,10.963 8.868,8.001 21.463,8.001 23.622,10.16 23.622,17.653 22.468,18.807 21.777,18.807 v1(21.708,18.875) ; v1(25.887,18.818) 25.892,18.813 26.377,18.813 29.95,15.24 31.242,15.24 v1(33.274,17.272)
HVL_POL: ESP32-S3.3 J1.13 U8.5 | length 40.5
  Top Layer w0.127: v1(21.705,17.537) 21.71,17.542 23.68,17.542 J1.13@23.685,17.547 ; J1.13@23.685,17.441 23.809,17.441 23.903,17.535 25.945,17.535 v1(25.957,17.524) ; v1(33.274,15.748) 33.296,15.77 34.395,15.77 U8.5
  Bottom Layer w0.127: ESP32-S3.3@8.445,10.963 8.445,9.335 9.525,8.255 21.336,8.255 23.368,10.287 23.368,16.51 22.358,17.52 21.722,17.52 v1(21.705,17.537) ; v1(25.957,17.524) 28.748,14.732 32.258,14.732 v1(33.274,15.748)
IOUT: C4.2 DA1.1 OP3.2 | length 10.1
  Top Layer w0.127: C4.2 8.763,34.001 9.63,33.134 9.63,32.407 v1(10.414,31.623) 10.328,31.537 DA1.1@10.328,29.296 ; v1(13.243,31.87) 14.259,31.87 OP3.2
  Bottom Layer w0.127: v1(10.414,31.623) 12.868,31.623 13.115,31.87 v1(13.243,31.87)
J4_2: J0.1 J4.2 J4.MP2 R2.2 T1.3 | length 41.3
  Top Layer w0.5: R2.2@24.73,3.029 25.762,3.029 v1(25.781,3.048) ; v1(43.688,6.815) 43.688,7.04 43.738,7.09 43.963,7.09 44.112,7.239 50.982,7.239 J4.MP2 J4.2 ; J0.1@51.019,1.778 v1(51.816,1.778) 53.744,3.706 53.744,6.246 54.753,7.255
  Bottom Layer w0.5: v1(25.781,3.048) 27.321,4.588 41.461,4.588 v1(43.688,6.815)
LE: J1.10 U8.21 | length 15.8
  Top Layer w0.127: J1.10@28.385,18.817 28.394,18.826 30.505,18.826 v1(30.514,18.836) ; U8.21@40.238,16.484 41.122,16.484 v1(41.402,16.764)
  Bottom Layer w0.127: v1(30.514,18.836) 31.236,19.558 36.068,19.558 38.862,16.764 v1(41.402,16.764)
NetC11_2: C11.2 OP3.5 R4.1 R21.2 | length 11.1
  Top Layer w0.127: R4.1 R21.2 17.149,34.667 17.149,34.949 17.298,35.098 18.697,35.098 18.846,34.949 18.846,34.717 19.095,34.468 19.095,34.118 19.304,33.909 20.193,33.909 20.62,33.482 20.62,29.624 20.333,29.337 OP3.5
NetC12_1: C12.1 VREG.4 | length 1.9
  Top Layer w0.127: C12.1 31.936,23.233 32.197,23.495 VREG.4
NetC12_2: C12.2 VREG.2 | length 5.4
  Top Layer w0.127: VREG.2 33.147,26.035 33.596,25.586 C12.2
NetC25_2: C25.2 IC1.3 | length 4.4
  Top Layer w0.127: C25.2 25.527,30.94 25.527,31.589 27.212,33.274 IC1.3@28.395,33.274
NetC26_2: C26.2 IC1.1 R14.2 | length 8.1
  Top Layer w0.127: C26.2 23.159,30.858 24.339,30.858 R14.2 24.555,31.074 24.555,33.445 25.361,34.251 28.372,34.251 IC1.1@28.395,34.274
NetC28_2: C28.2 R14.1 | length 4
  Top Layer w0.127: C28.2 21.838,29.666 21.838,29.216 22.225,28.829 23.876,28.829 24.249,29.202 R14.1@24.249,29.668
  Top Layer w0.254: R14.1@24.249,29.668 R14.1
NetC29_2: C29.2 R19.2 | length 1.1
  Top Layer w0.5: R19.2 C29.2@55.051,29.472
NetD2_1: D2.1 L1.2 | length 3.1
  Top Layer w0.4: D2.1 42.614,27.337 42.614,28.009 42.885,28.28 44.701,28.28 L1.2
NetIC1_4: IC1.4 R12.2 | length 3.2
  Top Layer w0.127: R12.2 26.797,32.258 27.313,32.774 IC1.4@28.395,32.774
NetJ0_2: J0.2 R1.1 | length 2.4
  Top Layer w0.5: R1.1 49.405,3.59 49.405,2.665 49.666,2.404 49.666,1.547 J0.2
NetL1_1: L1.1 Q5.2 R19.1 | length 18
  Top Layer w0.4: L1.1 44.953,26.557 46.291,27.895 Q5.2@46.291,32.004 ; R19.1 53.929,30.522 53.552,30.522 52.07,32.004 Q5.2@46.291,32.004 ; Q5.2@45.777,32.518 Q5.2@46.291,32.004 ; Q5.2@45.777,32.518 Q5.2 Q5.2@45.777,32.518 ; Q5.2@45.777,32.518 Q5.2@46.291,32.004
NetOP2_1: OP2.1 T4.1 | length 15.3
  Top Layer w0.254: OP2.1 16.564,6.846 17.387,6.846 v1(17.399,6.833) ; v1(30.387,5.543) 30.4,5.529 30.4,4.679 T4.1@30.414,4.665
  Bottom Layer w0.127: v1(17.399,6.833) 17.424,6.858 29.071,6.858 v1(30.387,5.543)
NetOP2_2: OP2.2 R5.2 T4.2 | length 20.7
  Top Layer w0.127: OP2.2 16.7,5.44 17.674,5.44 21.209,1.905 27.051,1.905 28.702,3.556 32.004,3.556 32.324,3.876 32.324,4.609 32.352,4.637 R5.2
NetOP2_5: OP2.5 R2.1 R3.2 | length 3.2
  Top Layer w0.254: OP2.5 23.353,3.048 R2.1 23.48,4.117 R3.2
NetOP2_6: OP2.6 OP2.7 R29.1 | length 3.6
  Top Layer w0.254: OP2.6 OP2.7 22.152,5.588 23.357,6.793 23.357,6.812 23.53,6.985 R29.1
NetQ5_3: Q5.3 R10.2 R13.1 | length 14.6
  Top Layer w0.24: R13.1 R13.1@40.136,33.885 ; R13.1@40.136,33.925 R13.1@40.136,33.885 ; R10.2@40.244,32.996 40.136,33.105 R13.1@40.136,33.885 ; Q5.3 50.977,34.875 50.977,35.617 50.546,36.048 41.509,36.048 41.021,35.56 41.021,34.29 40.542,33.811 40.21,33.811 R13.1@40.136,33.885
NetR1_2: R1.2 R20.1 | length 3.1
  Top Layer w0.5: R20.1 47.185,5.522 47.886,6.223 48.605,6.223 48.898,5.93 48.898,5.772 49.098,5.572 R1.2@49.437,5.572
NetR6_1: R6.1 T2.2 | length 5
  Top Layer w0.254: T2.2 41.209,6.284 42.043,7.118 R6.1@42.043,9.271
NetR7_1: R7.1 T1.2 | length 8.3
  Top Layer w0.127: T1.2@44.625,4.602 T1.2
  Top Layer w0.254: v1(44.625,3.673) T1.2@44.625,4.602 ; R7.1 v1(46.904,9.398)
  Bottom Layer w0.254: v1(44.625,3.673) 45.593,4.641 45.593,6.985 46.904,8.296 v1(46.904,9.398)
NetR15_1: R15.1 R16.2 | length 0.8
  Top Layer w0.5: R15.1 R16.2
NetR16_1: R16.1 R17.2 | length 4.9
  Bottom Layer w0.5: v1(37.207,34.171) 37.207,33.532 39.219,31.52 40.621,31.52 v1(40.64,31.501)
NetT1_1: T1.1 T2.1 T3.2 | length 7
  Top Layer w0.254: T3.2 T2.1 39.322,4.602 39.322,3.858 39.751,3.429 42.418,3.429 42.738,3.749 T1.1
NetT2_3: T2.3 T3.1 T4.3 | length 10.7
  Top Layer w0.254: T4.3 32.37,6.765 33.495,5.64 34.953,5.64 T3.1@35.753,4.84 ; T3.1 T3.1@35.753,4.84 ; T2.3 38.184,6.815 36.382,5.013 35.926,5.013 T3.1@35.753,4.84
POL: J1.14 U8.19 | length 16.4
  Top Layer w0.127: J1.14@28.342,17.526 28.358,17.542 30.489,17.542 v1(30.494,17.537) ; U8.19@40.279,15.143 v1(41.382,15.144)
  Bottom Layer w0.127: v1(30.494,17.537) 30.535,17.579 30.892,17.579 32.363,19.05 35.814,19.05 39.72,15.144 v1(41.382,15.144)
SENSE: C27.2 IC1.6 R13.2 | length 8.2
  Top Layer w0.127: C27.2@39.116,34.968 cw(c39.229,34.968) C27.2
  Top Layer w0.24: IC1.6@32.819,32.274 36.211,32.274 37.973,34.036 38.986,34.036 R13.2@39.116,33.906
  Top Layer w0.254: R13.2 C27.2@39.116,34.968
SHDN: IC1.9 R9.1 R11.2 | length 10.1
  Top Layer w0.127: R9.1 R11.2 25.812,34.994 25.812,35.21 26.162,35.56 30.734,35.56 31.623,34.671 31.623,34.163 31.99,33.796 32.797,33.796 IC1.9@32.819,33.774
SPI_CLK: AD1.4 DA1.3 ESP32-S3.9 | length 16.6
  Top Layer w0.127: AD1.4@8.382,33.062 8.55,32.894 8.55,32.217 9.144,31.623 9.144,29.086 9.909,28.321 11.049,28.321 11.589,28.861 11.589,29.638 DA1.3 11.628,30.623 11.702,30.697 12.19,30.697 12.22,30.727 12.803,30.727 12.954,30.576 12.954,28.776 ; 12.954,28.794 13.379,28.368 14.685,28.368 15.27,27.783 15.628,27.783 16.066,27.345 ESP32-S3.9@16.066,26.774
STACK_SENSE: ESP32-S3.6 J1.19 R30.1 R31.2 | length 31.1
  Top Layer w0.127: v1(21.998,15.594) 22.048,15.644 J1.19@23.684,15.644 ; J1.19@24.809,15.594 25.802,15.594 29.464,11.932 29.464,9.017 30.099,8.382 32.258,8.382 32.627,8.751 R30.1 R31.2
  Bottom Layer w0.127: ESP32-S3.6@16.066,10.963 16.066,9.842 17.145,8.763 21.082,8.763 22.86,10.541 22.86,14.789 22.055,15.594 v1(21.998,15.594)
Vout: C4.1 DA1.8 OP2.3 OP3.1 R26.1 | length 64.5
  Top Layer w0.127: C4.1 9.552,35.431 10.166,34.816 10.166,34.714 10.226,34.654 DA1.8@10.328,34.654 ; DA1.8 DA1.8@10.328,34.654 ; v1(13.208,33.147) OP3.1 14.393,33.147 14.605,33.359 14.605,34.671 13.335,35.941 11.176,35.941 10.328,35.093 DA1.8@10.328,34.654
  Top Layer w0.254: R26.1 15.667,1.778 15.494,1.951 v1(15.494,4.318) OP2.3
  Bottom Layer w0.127: v1(13.208,33.147) 10.668,33.147 9.017,31.496 3.175,31.496 0.983,29.304 0.983,10.193 6.858,4.318 v1(15.494,4.318)
VPP: J2.7 J2.8 J2.9 J2.10 J2.11 J2.12 J2.13 J2.14 J4.1 J4.MP1 | length 20.3
  Top Layer w0.5: J2.11@51.245,18.035 51.32,18.109 51.862,18.109 51.866,18.114 52.734,18.114 52.813,18.034 52.887,18.034 53.18,17.741 53.18,16.107 48.615,11.542 48.615,9.805 49.149,9.271 50.982,9.271 J4.MP1 J4.1
Vref: DA1.7 OP3.6 OP3.7 | length 11.9
  Top Layer w0.127: DA1.7@10.978,33.696 10.978,32.329 12.204,31.103 17.792,31.103 18.288,30.607 OP3.6 OP3.7
pads on no net: D2.3 J1.1 J1.2 J1.3 J1.5 J1.7 J1.23 J1.24 J2.23 J2.24 U8.14 U8.15 U8.16 VREG.6 VREG.7

## Polygon pours and split planes (outlines as drawn)
GND on Bottom Layer "GND_L02_P001" (solid, pour order 1): 0.277,34.645 cw(c2.606,34.578) 0.883,36.147 cw(c2.795,34.05) 2.942,36.885 55.359,36.94 cw(c55.359,34.401) 57.155,36.196 57.173,36.178 cw(c55.641,34.646) 57.808,34.645 57.808,2.772 cw(c55.48,2.682) 56.622,0.652 cw(c55.682,2.047) 55.714,0.364 2.587,0.364 cw(c2.627,2.865) 0.907,1.05 cw(c2.802,2.718) 0.277,2.706
GND on Top Layer "GND_L01_P000" (solid, pour order 0): 0.284,34.533 cw(c2.613,34.466) 0.89,36.035 cw(c2.802,33.937) 2.949,36.772 55.366,36.828 cw(c55.366,34.289) 57.162,36.084 57.18,36.066 cw(c55.648,34.533) 57.815,34.533 57.815,2.66 cw(c55.487,2.569) 56.629,0.539 cw(c55.689,1.935) 55.721,0.252 2.594,0.252 cw(c2.634,2.753) 0.914,0.937 cw(c2.809,2.606) 0.284,2.593

## Other copper
Top Layer:
  region net VPP: 50.292,19.558 55.626,19.558 55.626,17.564 50.292,17.564
  pour cut-out: 48.323,2.921 48.323,0.127 52.514,0.127 52.514,2.921
  region net GND: 9.703,6.257 9.703,4.658 10.588,4.658 11.43,4.658 11.43,6.264
  region net +5V: 27.115,20.752 29.621,20.752 29.621,19.452 27.115,19.452
  region net +5V: 29.622,28.412 29.622,27.376 30.058,26.94 33.036,26.94 38.497,26.94 38.99,27.433 38.99,29.464 29.845,29.464 29.718,29.337
  region net +5V: 37.317,20.299 37.592,20.574 39.243,20.574 39.497,20.574 41.529,20.574 41.529,17.526 39.624,17.526 39.624,19.812 37.317,19.812
  region net +5V: 50.165,16.954 50.165,15.557 51.816,15.557 51.816,16.954
  region net +5V: 31.98,34.139 33.552,34.139 33.742,33.949 33.742,33.573 33.584,33.416 32.819,33.416 32.819,33.127 33.974,33.127 34.417,33.401 34.417,34.681 31.98,36.241
  region net -5: 36.891,23.819 38.383,23.819 38.538,23.665 38.538,20.967 37.56,20.967 37.545,20.982 37.545,22.452 36.876,23.121 36.876,23.812
  region net +3V3: 4.719,30.534 4.793,30.607 6.568,30.607 6.659,30.516 6.659,29.652 5.925,28.918 4.822,28.918 4.721,29.019 4.721,30.533
  region net +3V3: 33.679,17.526 33.679,17.704 33.589,17.794 33.133,17.794 33.019,17.908 33.019,18.528 33.525,18.528 33.765,18.288
  region net +3V3: 33.679,18.462 33.679,17.526 35.165,17.526 35.165,18.558 33.674,18.558
  region net +3V3: 54.285,16.934 54.285,15.643 55.626,15.643 55.626,16.934
  region net +300V: 44.831,10.033 42.799,10.033 42.799,9.626 42.799,9.017 42.799,8.775 44.958,8.775 44.958,8.89 44.958,10.033
Bottom Layer:
  region net +5V: 29.622,27.376 cw(c29.698,27.452) 29.591,27.452 29.591,28.194 cw(c30.187,27.785) 29.793,28.391 cw(c30.139,27.399) 30.204,28.448 30.607,28.448 cw(c30.587,28.014) 30.908,28.307 30.988,28.194 cw(c30.422,28.001) 31.019,27.962 cw(c30.959,27.949) 31.019,27.937 31.019,27.434 cw(c30.673,27.447) 30.908,27.193 cw(c30.624,27.395) 30.681,27.051 30.48,27.051 29.655,27.088 ccw(c29.514,27.056) 29.591,27.178
  region net +5V: 9.271,4.953 9.271,6.223 8.636,6.223 8.636,4.953
Multi-Layer:
  pour cut-out: 43.064,29.809 43.064,25.019 49.784,25.019 49.784,29.883

## Silkscreen, mask and mechanical layers (free items; w line width, h text height)
Top Overlay:
  drawing of 28 lines, arcs and shapes, not listed
  text "C16" at 29.69,31.265 h0.52
  text "C20" at 31.595,31.265 h0.52
  text "C21" at 33.5,31.265 h0.52
  text "C22" at 35.464,31.265 h0.52
  text "C23" at 37.372,31.265 h0.52
  text "-" at 49.048,8.897 h0.8
  text "GND" at 2.693,7.138 h0.7
  text "+" at 49.048,6.878 h0.8
  text "5V" at 2.693,4.979 h0.7
  text "Controller Module" at 18.415,0.648 h1.2
Bottom Overlay:
  drawing of 46 lines, arcs and shapes, not listed
  text "Visit Us" at 43.447,16.638 h1.2 r270
  text "http://aid-lab.org/etactilekit" at 46.223,8.001 h2 r270
  text "Rev_1.0" at 11.684,1.409 h1.5
Mechanical 1:
  the board outline again, w0.254